# Altium PCB Audio-Beamformer_V1.0.PcbDoc (part 1 of 11) (continued)
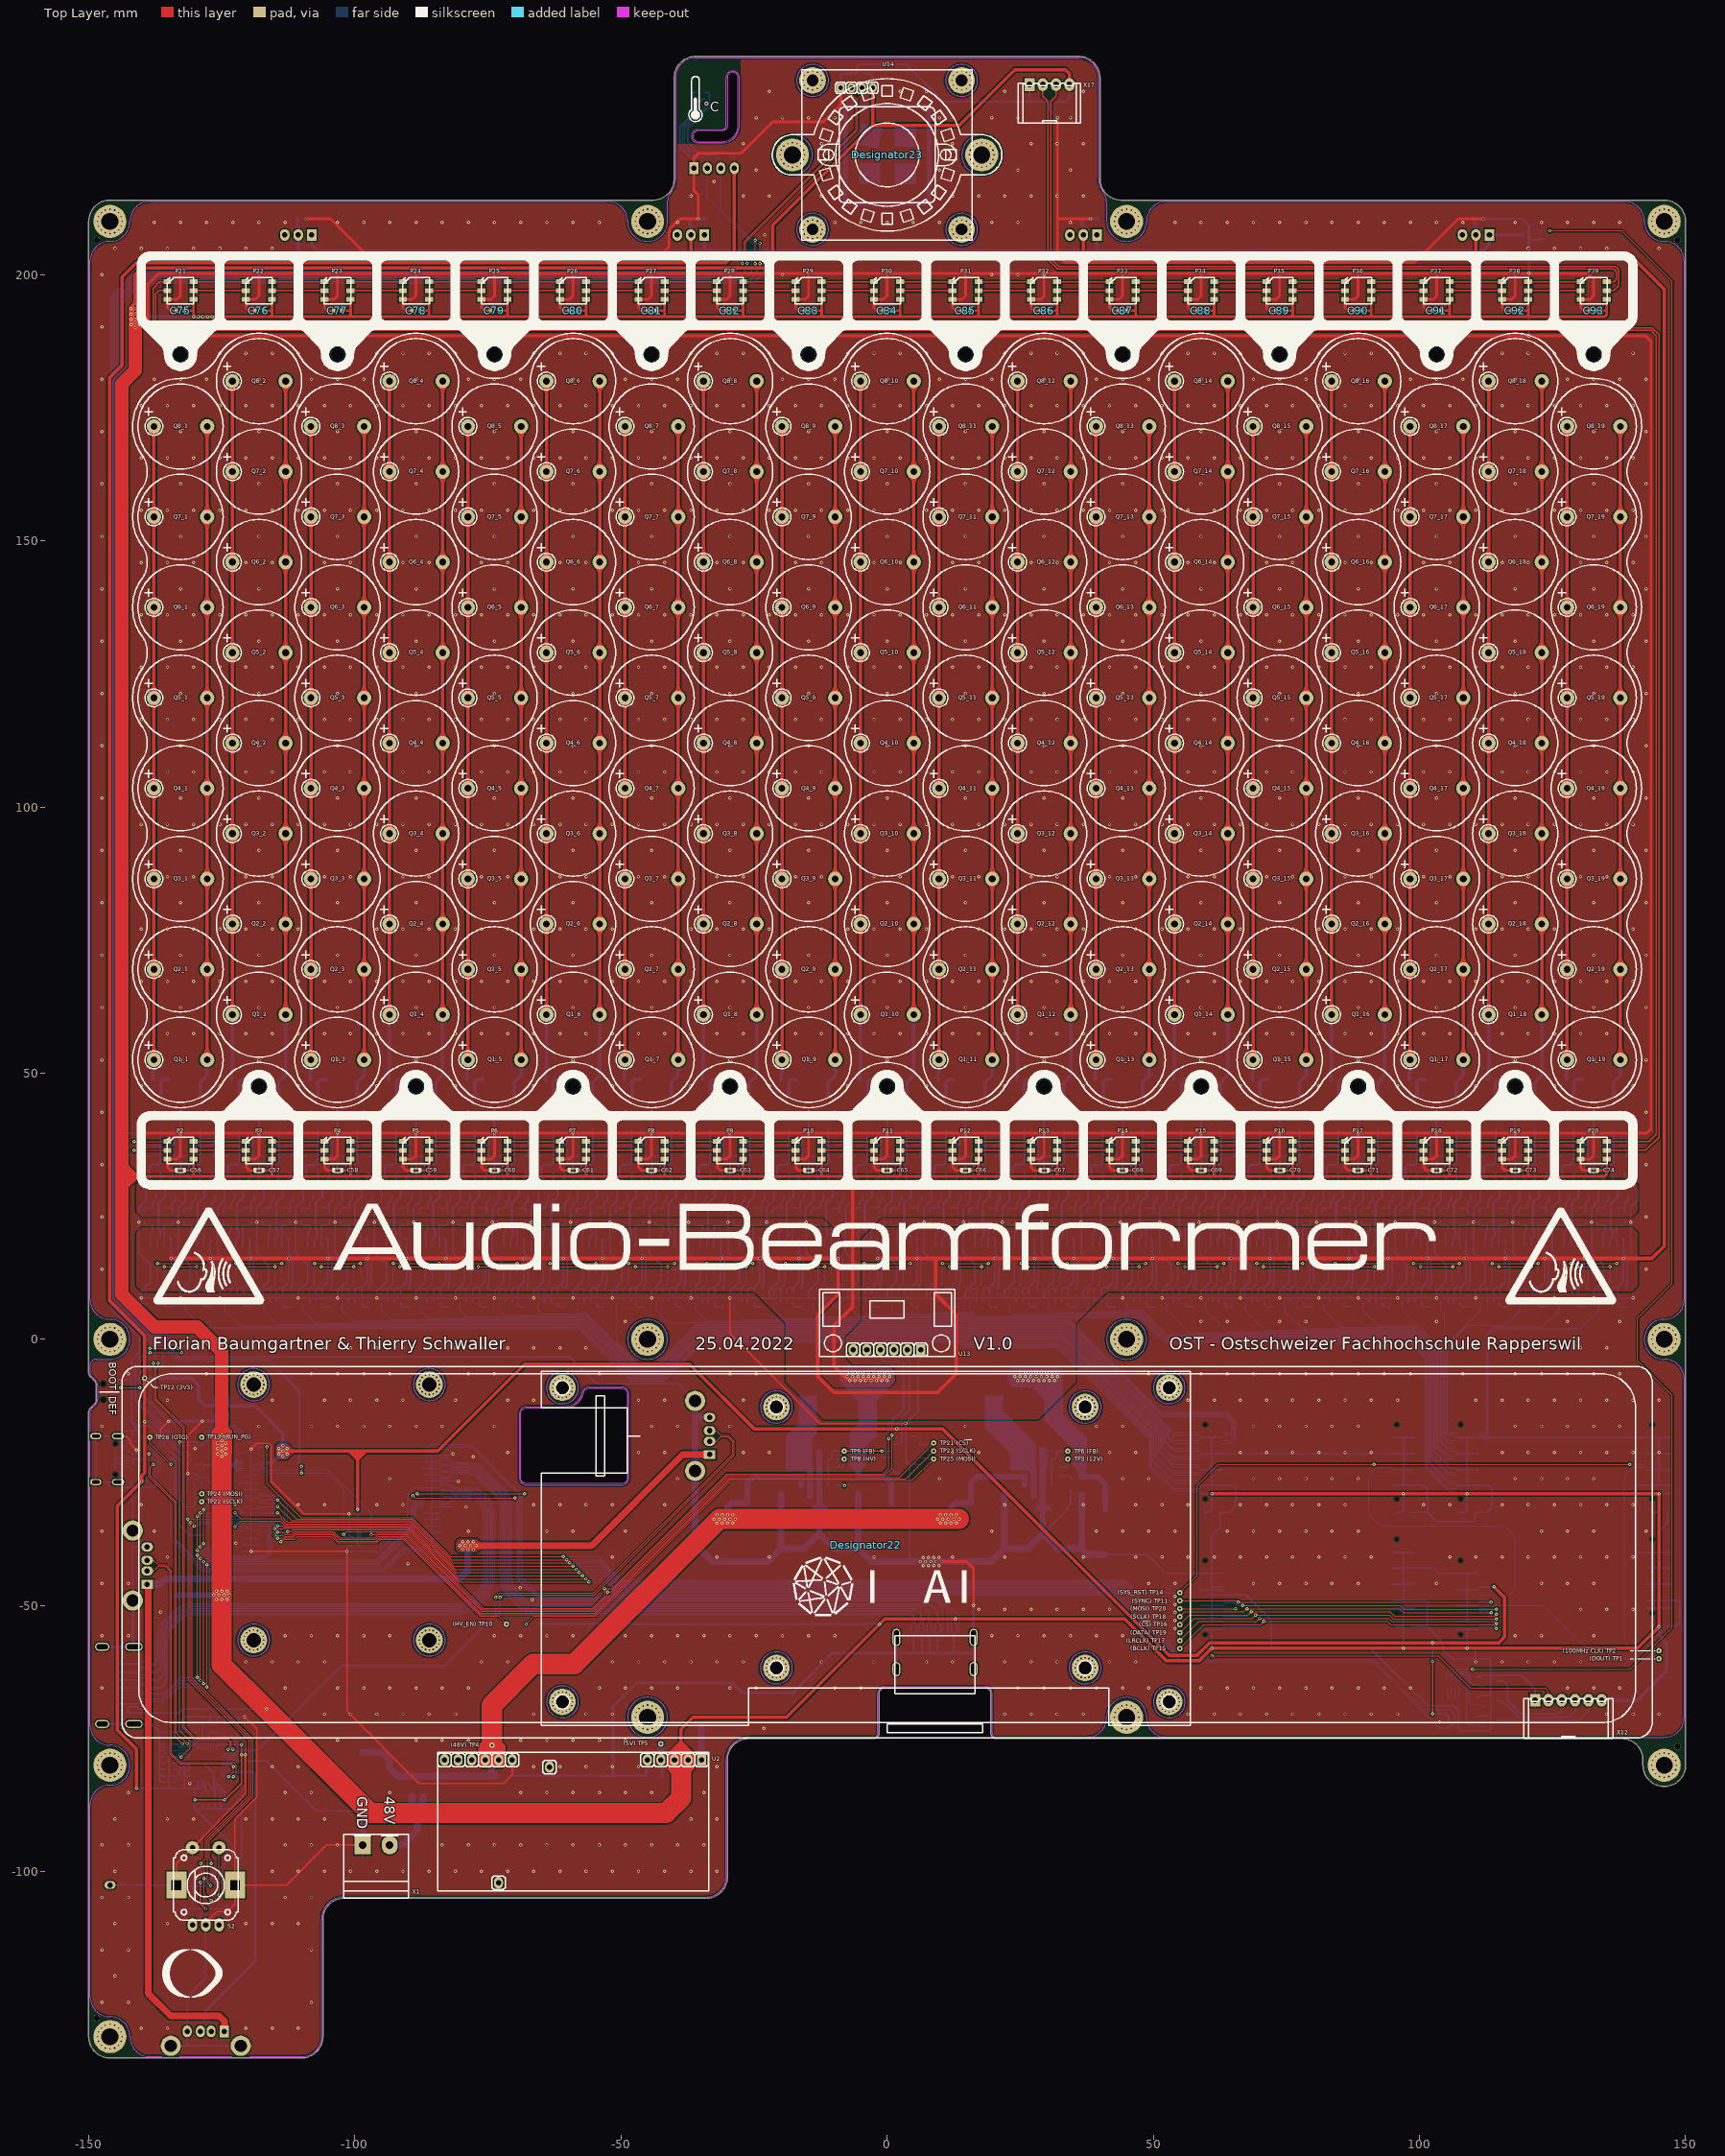
[diagram p0: Top Layer view]
## Components (designator, comment, footprint, x,y, rotation, side; value= is the part's Value field where it differs from the comment)
C1 "10nF" "SMD Keramikkondensator 0603" 31.7,-24 r0 bottom
C2 "10µF" "SMD Keramikkondensator 1206" 36.55,-27.35 r90 bottom
C3 "470µF" "SMD Elko 10.0x10.0" 41,-36.25 r270 bottom
C4 "220µF" "SMD Elko 12.5x13.5" -98.5,-83 r270 bottom
C5 "1µF" "SMD Keramikkondensator 1206" -71.75,-82 r180 bottom
C6 "10µF" "SMD Keramikkondensator 1206" -43.75,-82 r0 bottom
C7 "470µF" "SMD Elko 10.0x10.0" -34.88,-68.75 r90 bottom
C8 "220µF" "SMD Elko 12.5x13.5" 15.75,-36.25 r270 bottom
C9 "1µF" "SMD Keramikkondensator 1206" 22.05,-27.35 r90 bottom
C10 "10nF" "SMD Keramikkondensator 0603" -10.3,-24 r0 bottom
C11 "1µF" "SMD Keramikkondensator 1206" -5.45,-27.35 r90 bottom
C12 "220µF" "SMD Elko 12.5x13.5" 0.75,-36.25 r270 bottom
C13 "220µF" "SMD Elko 12.5x13.5" -26.25,-36.25 r270 bottom
C14 "1µF" "SMD Keramikkondensator 1206" -19.95,-27.35 r90 bottom
C15 "1µF" "SMD Keramikkondensator 0603" 3.5,-16.8 r180 bottom
C16 "10µF" "SMD Keramikkondensator 1206" -123.8,-25.2 r90 bottom
C17 "10µF" "SMD Keramikkondensator 1206" -126.2,-25.2 r90 bottom
C18 "470µF" "SMD Elko 10.0x10.0" -133,-11.5 r270 bottom locked
C19 "10µF" "SMD Keramikkondensator 1206" -123.8,-12.5 r90 bottom
C20 "10µF" "SMD Keramikkondensator 1206" -126.2,-12.5 r90 bottom
C21_1 "10µF" "SMD Keramikkondensator 1206" 109,-58 r180 bottom (schematic designator C21)
C21_2 "10µF" "SMD Keramikkondensator 1206" 61,-58 r180 bottom (schematic designator C21)
C22_1 "10µF" "SMD Keramikkondensator 1206" 109,-32.5 r180 bottom (schematic designator C22)
C22_2 "10µF" "SMD Keramikkondensator 1206" 61,-32.5 r180 bottom (schematic designator C22)
C23_1 "10µF" "SMD Keramikkondensator 1206" 145,-54 r180 bottom (schematic designator C23)
C23_2 "10µF" "SMD Keramikkondensator 1206" 97,-54 r180 bottom (schematic designator C23)
C24_1 "10µF" "SMD Keramikkondensator 1206" 145,-32.5 r180 bottom (schematic designator C24)
C24_2 "10µF" "SMD Keramikkondensator 1206" 97,-32.5 r180 bottom (schematic designator C24)
C25_1 "1µF" "SMD Keramikkondensator 1206" -126.85,32.75 r270 bottom (schematic designator C25)
C25_2 "1µF" "SMD Keramikkondensator 1206" -112.1,32.75 r270 bottom (schematic designator C25)
C25_3 "1µF" "SMD Keramikkondensator 1206" -97.35,32.75 r270 bottom (schematic designator C25)
C25_4 "1µF" "SMD Keramikkondensator 1206" -82.6,32.75 r270 bottom (schematic designator C25)
C25_5 "1µF" "SMD Keramikkondensator 1206" -67.85,32.75 r270 bottom (schematic designator C25)
C25_6 "1µF" "SMD Keramikkondensator 1206" -53.1,32.75 r270 bottom (schematic designator C25)
C25_7 "1µF" "SMD Keramikkondensator 1206" -38.35,32.75 r270 bottom (schematic designator C25)
C25_8 "1µF" "SMD Keramikkondensator 1206" -23.6,32.75 r270 bottom (schematic designator C25)
C25_9 "1µF" "SMD Keramikkondensator 1206" -8.85,32.75 r270 bottom (schematic designator C25)
C25_10 "1µF" "SMD Keramikkondensator 1206" 5.9,32.75 r270 bottom (schematic designator C25)
C25_11 "1µF" "SMD Keramikkondensator 1206" 20.65,32.75 r270 bottom (schematic designator C25)
C25_12 "1µF" "SMD Keramikkondensator 1206" 35.4,32.75 r270 bottom (schematic designator C25)
C25_13 "1µF" "SMD Keramikkondensator 1206" 50.15,32.75 r270 bottom (schematic designator C25)
C25_14 "1µF" "SMD Keramikkondensator 1206" 64.9,32.75 r270 bottom (schematic designator C25)
C25_15 "1µF" "SMD Keramikkondensator 1206" 79.65,32.75 r270 bottom (schematic designator C25)
C25_16 "1µF" "SMD Keramikkondensator 1206" 94.4,32.75 r270 bottom (schematic designator C25)
C25_17 "1µF" "SMD Keramikkondensator 1206" 109.15,32.75 r270 bottom (schematic designator C25)
C25_18 "1µF" "SMD Keramikkondensator 1206" 123.9,32.75 r270 bottom (schematic designator C25)
C25_19 "1µF" "SMD Keramikkondensator 1206" 138.65,32.75 r270 bottom (schematic designator C25)
C26_1 "1µF" "SMD Keramikkondensator 0603" -129.45,7.75 r90 bottom (schematic designator C26)
C26_2 "1µF" "SMD Keramikkondensator 0603" -114.7,7.75 r90 bottom (schematic designator C26)
C26_3 "1µF" "SMD Keramikkondensator 0603" -99.95,7.75 r90 bottom (schematic designator C26)
C26_4 "1µF" "SMD Keramikkondensator 0603" -85.2,7.75 r90 bottom (schematic designator C26)
C26_5 "1µF" "SMD Keramikkondensator 0603" -70.45,7.75 r90 bottom (schematic designator C26)
C26_6 "1µF" "SMD Keramikkondensator 0603" -55.7,7.75 r90 bottom (schematic designator C26)
C26_7 "1µF" "SMD Keramikkondensator 0603" -40.95,7.75 r90 bottom (schematic designator C26)
C26_8 "1µF" "SMD Keramikkondensator 0603" -26.2,7.75 r90 bottom (schematic designator C26)
C26_9 "1µF" "SMD Keramikkondensator 0603" -11.45,7.75 r90 bottom (schematic designator C26)
C26_10 "1µF" "SMD Keramikkondensator 0603" 3.3,7.75 r90 bottom (schematic designator C26)
C26_11 "1µF" "SMD Keramikkondensator 0603" 18.05,7.75 r90 bottom (schematic designator C26)
C26_12 "1µF" "SMD Keramikkondensator 0603" 32.8,7.75 r90 bottom (schematic designator C26)
C26_13 "1µF" "SMD Keramikkondensator 0603" 47.55,7.75 r90 bottom (schematic designator C26)
C26_14 "1µF" "SMD Keramikkondensator 0603" 62.3,7.75 r90 bottom (schematic designator C26)
C26_15 "1µF" "SMD Keramikkondensator 0603" 77.05,7.75 r90 bottom (schematic designator C26)
C26_16 "1µF" "SMD Keramikkondensator 0603" 91.8,7.75 r90 bottom (schematic designator C26)
C26_17 "1µF" "SMD Keramikkondensator 0603" 106.55,7.75 r90 bottom (schematic designator C26)
C26_18 "1µF" "SMD Keramikkondensator 0603" 121.3,7.75 r90 bottom (schematic designator C26)
C26_19 "1µF" "SMD Keramikkondensator 0603" 136.05,7.75 r90 bottom (schematic designator C26)
C27_1 "100nF" "SMD Keramikkondensator 0603" -128.438,19.5 r0 bottom (schematic designator C27)
C27_2 "100nF" "SMD Keramikkondensator 0603" -113.688,19.5 r0 bottom (schematic designator C27)
C27_3 "100nF" "SMD Keramikkondensator 0603" -98.938,19.5 r0 bottom (schematic designator C27)
C27_4 "100nF" "SMD Keramikkondensator 0603" -84.188,19.5 r0 bottom (schematic designator C27)
C27_5 "100nF" "SMD Keramikkondensator 0603" -69.438,19.5 r0 bottom (schematic designator C27)
C27_6 "100nF" "SMD Keramikkondensator 0603" -54.688,19.5 r0 bottom (schematic designator C27)
C27_7 "100nF" "SMD Keramikkondensator 0603" -39.938,19.5 r0 bottom (schematic designator C27)
C27_8 "100nF" "SMD Keramikkondensator 0603" -25.188,19.5 r0 bottom (schematic designator C27)
C27_9 "100nF" "SMD Keramikkondensator 0603" -10.438,19.5 r0 bottom (schematic designator C27)
C27_10 "100nF" "SMD Keramikkondensator 0603" 4.312,19.5 r0 bottom (schematic designator C27)
C27_11 "100nF" "SMD Keramikkondensator 0603" 19.062,19.5 r0 bottom (schematic designator C27)
C27_12 "100nF" "SMD Keramikkondensator 0603" 33.812,19.5 r0 bottom (schematic designator C27)
C27_13 "100nF" "SMD Keramikkondensator 0603" 48.562,19.5 r0 bottom (schematic designator C27)
C27_14 "100nF" "SMD Keramikkondensator 0603" 63.312,19.5 r0 bottom (schematic designator C27)
C27_15 "100nF" "SMD Keramikkondensator 0603" 78.062,19.5 r0 bottom (schematic designator C27)
C27_16 "100nF" "SMD Keramikkondensator 0603" 92.812,19.5 r0 bottom (schematic designator C27)
C27_17 "100nF" "SMD Keramikkondensator 0603" 107.562,19.5 r0 bottom (schematic designator C27)
C27_18 "100nF" "SMD Keramikkondensator 0603" 122.312,19.5 r0 bottom (schematic designator C27)
C27_19 "100nF" "SMD Keramikkondensator 0603" 137.062,19.5 r0 bottom (schematic designator C27)
C28_1 "27pF" "SMD Keramikkondensator 0603" -126.481,36.5 r270 bottom (schematic designator C28)
C28_2 "27pF" "SMD Keramikkondensator 0603" -111.731,36.5 r270 bottom (schematic designator C28)
C28_3 "27pF" "SMD Keramikkondensator 0603" -96.981,36.5 r270 bottom (schematic designator C28)
C28_4 "27pF" "SMD Keramikkondensator 0603" -82.231,36.5 r270 bottom (schematic designator C28)
C28_5 "27pF" "SMD Keramikkondensator 0603" -67.481,36.5 r270 bottom (schematic designator C28)
C28_6 "27pF" "SMD Keramikkondensator 0603" -52.731,36.5 r270 bottom (schematic designator C28)
C28_7 "27pF" "SMD Keramikkondensator 0603" -37.981,36.5 r270 bottom (schematic designator C28)
C28_8 "27pF" "SMD Keramikkondensator 0603" -23.231,36.5 r270 bottom (schematic designator C28)
C28_9 "27pF" "SMD Keramikkondensator 0603" -8.481,36.5 r270 bottom (schematic designator C28)
C28_10 "27pF" "SMD Keramikkondensator 0603" 6.269,36.5 r270 bottom (schematic designator C28)
C28_11 "27pF" "SMD Keramikkondensator 0603" 21.019,36.5 r270 bottom (schematic designator C28)
C28_12 "27pF" "SMD Keramikkondensator 0603" 35.769,36.5 r270 bottom (schematic designator C28)
C28_13 "27pF" "SMD Keramikkondensator 0603" 50.519,36.5 r270 bottom (schematic designator C28)
C28_14 "27pF" "SMD Keramikkondensator 0603" 65.269,36.5 r270 bottom (schematic designator C28)
C28_15 "27pF" "SMD Keramikkondensator 0603" 80.019,36.5 r270 bottom (schematic designator C28)
C28_16 "27pF" "SMD Keramikkondensator 0603" 94.769,36.5 r270 bottom (schematic designator C28)
C28_17 "27pF" "SMD Keramikkondensator 0603" 109.519,36.5 r270 bottom (schematic designator C28)
C28_18 "27pF" "SMD Keramikkondensator 0603" 124.269,36.5 r270 bottom (schematic designator C28)
C28_19 "27pF" "SMD Keramikkondensator 0603" 139.019,36.5 r270 bottom (schematic designator C28)
C29_1 "1µF" "SMD Keramikkondensator 1206" -134.225,32.75 r270 bottom (schematic designator C29)
C29_2 "1µF" "SMD Keramikkondensator 1206" -119.475,32.75 r270 bottom (schematic designator C29)
C29_3 "1µF" "SMD Keramikkondensator 1206" -104.725,32.75 r270 bottom (schematic designator C29)
C29_4 "1µF" "SMD Keramikkondensator 1206" -89.975,32.75 r270 bottom (schematic designator C29)
C29_5 "1µF" "SMD Keramikkondensator 1206" -75.225,32.75 r270 bottom (schematic designator C29)
C29_6 "1µF" "SMD Keramikkondensator 1206" -60.475,32.75 r270 bottom (schematic designator C29)
C29_7 "1µF" "SMD Keramikkondensator 1206" -45.725,32.75 r270 bottom (schematic designator C29)
C29_8 "1µF" "SMD Keramikkondensator 1206" -30.975,32.75 r270 bottom (schematic designator C29)
C29_9 "1µF" "SMD Keramikkondensator 1206" -16.225,32.75 r270 bottom (schematic designator C29)
C29_10 "1µF" "SMD Keramikkondensator 1206" -1.475,32.75 r270 bottom (schematic designator C29)
C29_11 "1µF" "SMD Keramikkondensator 1206" 13.275,32.75 r270 bottom (schematic designator C29)
C29_12 "1µF" "SMD Keramikkondensator 1206" 28.025,32.75 r270 bottom (schematic designator C29)
C29_13 "1µF" "SMD Keramikkondensator 1206" 42.775,32.75 r270 bottom (schematic designator C29)
C29_14 "1µF" "SMD Keramikkondensator 1206" 57.525,32.75 r270 bottom (schematic designator C29)
C29_15 "1µF" "SMD Keramikkondensator 1206" 72.275,32.75 r270 bottom (schematic designator C29)
C29_16 "1µF" "SMD Keramikkondensator 1206" 87.025,32.75 r270 bottom (schematic designator C29)
C29_17 "1µF" "SMD Keramikkondensator 1206" 101.775,32.75 r270 bottom (schematic designator C29)
C29_18 "1µF" "SMD Keramikkondensator 1206" 116.525,32.75 r270 bottom (schematic designator C29)
C29_19 "1µF" "SMD Keramikkondensator 1206" 131.275,32.75 r270 bottom (schematic designator C29)
C30_1 "1µF" "SMD Keramikkondensator 0603" -136.825,7.75 r90 bottom (schematic designator C30)
C30_2 "1µF" "SMD Keramikkondensator 0603" -122.075,7.75 r90 bottom (schematic designator C30)
C30_3 "1µF" "SMD Keramikkondensator 0603" -107.325,7.75 r90 bottom (schematic designator C30)
C30_4 "1µF" "SMD Keramikkondensator 0603" -92.575,7.75 r90 bottom (schematic designator C30)
C30_5 "1µF" "SMD Keramikkondensator 0603" -77.825,7.75 r90 bottom (schematic designator C30)
C30_6 "1µF" "SMD Keramikkondensator 0603" -63.075,7.75 r90 bottom (schematic designator C30)
C30_7 "1µF" "SMD Keramikkondensator 0603" -48.325,7.75 r90 bottom (schematic designator C30)
C30_8 "1µF" "SMD Keramikkondensator 0603" -33.575,7.75 r90 bottom (schematic designator C30)
C30_9 "1µF" "SMD Keramikkondensator 0603" -18.825,7.75 r90 bottom (schematic designator C30)
C30_10 "1µF" "SMD Keramikkondensator 0603" -4.075,7.75 r90 bottom (schematic designator C30)
C30_11 "1µF" "SMD Keramikkondensator 0603" 10.675,7.75 r90 bottom (schematic designator C30)
C30_12 "1µF" "SMD Keramikkondensator 0603" 25.425,7.75 r90 bottom (schematic designator C30)
C30_13 "1µF" "SMD Keramikkondensator 0603" 40.175,7.75 r90 bottom (schematic designator C30)
C30_14 "1µF" "SMD Keramikkondensator 0603" 54.925,7.75 r90 bottom (schematic designator C30)
C30_15 "1µF" "SMD Keramikkondensator 0603" 69.675,7.75 r90 bottom (schematic designator C30)
C30_16 "1µF" "SMD Keramikkondensator 0603" 84.425,7.75 r90 bottom (schematic designator C30)
C30_17 "1µF" "SMD Keramikkondensator 0603" 99.175,7.75 r90 bottom (schematic designator C30)
C30_18 "1µF" "SMD Keramikkondensator 0603" 113.925,7.75 r90 bottom (schematic designator C30)
C30_19 "1µF" "SMD Keramikkondensator 0603" 128.675,7.75 r90 bottom (schematic designator C30)
C31_1 "100nF" "SMD Keramikkondensator 0603" -135.813,19.5 r0 bottom (schematic designator C31)
C31_2 "100nF" "SMD Keramikkondensator 0603" -121.063,19.5 r0 bottom (schematic designator C31)
C31_3 "100nF" "SMD Keramikkondensator 0603" -106.313,19.5 r0 bottom (schematic designator C31)
C31_4 "100nF" "SMD Keramikkondensator 0603" -91.563,19.5 r0 bottom (schematic designator C31)
C31_5 "100nF" "SMD Keramikkondensator 0603" -76.813,19.5 r0 bottom (schematic designator C31)
C31_6 "100nF" "SMD Keramikkondensator 0603" -62.063,19.5 r0 bottom (schematic designator C31)
C31_7 "100nF" "SMD Keramikkondensator 0603" -47.313,19.5 r0 bottom (schematic designator C31)
C31_8 "100nF" "SMD Keramikkondensator 0603" -32.563,19.5 r0 bottom (schematic designator C31)
C31_9 "100nF" "SMD Keramikkondensator 0603" -17.813,19.5 r0 bottom (schematic designator C31)
C31_10 "100nF" "SMD Keramikkondensator 0603" -3.063,19.5 r0 bottom (schematic designator C31)
C31_11 "100nF" "SMD Keramikkondensator 0603" 11.687,19.5 r0 bottom (schematic designator C31)
C31_12 "100nF" "SMD Keramikkondensator 0603" 26.437,19.5 r0 bottom (schematic designator C31)
C31_13 "100nF" "SMD Keramikkondensator 0603" 41.187,19.5 r0 bottom (schematic designator C31)
C31_14 "100nF" "SMD Keramikkondensator 0603" 55.937,19.5 r0 bottom (schematic designator C31)
C31_15 "100nF" "SMD Keramikkondensator 0603" 70.687,19.5 r0 bottom (schematic designator C31)
C31_16 "100nF" "SMD Keramikkondensator 0603" 85.437,19.5 r0 bottom (schematic designator C31)
C31_17 "100nF" "SMD Keramikkondensator 0603" 100.187,19.5 r0 bottom (schematic designator C31)
C31_18 "100nF" "SMD Keramikkondensator 0603" 114.937,19.5 r0 bottom (schematic designator C31)
C31_19 "100nF" "SMD Keramikkondensator 0603" 129.687,19.5 r0 bottom (schematic designator C31)
C32_1 "27pF" "SMD Keramikkondensator 0603" -133.856,36.5 r270 bottom (schematic designator C32)
C32_2 "27pF" "SMD Keramikkondensator 0603" -119.106,36.5 r270 bottom (schematic designator C32)
C32_3 "27pF" "SMD Keramikkondensator 0603" -104.356,36.5 r270 bottom (schematic designator C32)
C32_4 "27pF" "SMD Keramikkondensator 0603" -89.606,36.5 r270 bottom (schematic designator C32)
C32_5 "27pF" "SMD Keramikkondensator 0603" -74.856,36.5 r270 bottom (schematic designator C32)
C32_6 "27pF" "SMD Keramikkondensator 0603" -60.106,36.5 r270 bottom (schematic designator C32)
C32_7 "27pF" "SMD Keramikkondensator 0603" -45.356,36.5 r270 bottom (schematic designator C32)
C32_8 "27pF" "SMD Keramikkondensator 0603" -30.606,36.5 r270 bottom (schematic designator C32)
C32_9 "27pF" "SMD Keramikkondensator 0603" -15.856,36.5 r270 bottom (schematic designator C32)
C32_10 "27pF" "SMD Keramikkondensator 0603" -1.106,36.5 r270 bottom (schematic designator C32)
C32_11 "27pF" "SMD Keramikkondensator 0603" 13.644,36.5 r270 bottom (schematic designator C32)
C32_12 "27pF" "SMD Keramikkondensator 0603" 28.394,36.5 r270 bottom (schematic designator C32)
C32_13 "27pF" "SMD Keramikkondensator 0603" 43.144,36.5 r270 bottom (schematic designator C32)
C32_14 "27pF" "SMD Keramikkondensator 0603" 57.894,36.5 r270 bottom (schematic designator C32)
C32_15 "27pF" "SMD Keramikkondensator 0603" 72.644,36.5 r270 bottom (schematic designator C32)
C32_16 "27pF" "SMD Keramikkondensator 0603" 87.394,36.5 r270 bottom (schematic designator C32)
C32_17 "27pF" "SMD Keramikkondensator 0603" 102.144,36.5 r270 bottom (schematic designator C32)
C32_18 "27pF" "SMD Keramikkondensator 0603" 116.894,36.5 r270 bottom (schematic designator C32)
C32_19 "27pF" "SMD Keramikkondensator 0603" 131.644,36.5 r270 bottom (schematic designator C32)
C33 "1µF" "SMD Keramikkondensator 0603" -138.3,-26.7 r180 bottom
C34 "1µF" "SMD Keramikkondensator 0603" -126.2,-86.5 r90 bottom
C35 "1µF" "SMD Keramikkondensator 0603" -120.7,-73 r270 bottom
C36 "1µF" "SMD Keramikkondensator 0603" -134.9,-78.4 r0 bottom
C37 "100nF" "SMD Keramikkondensator 0603" -121.3,-79.2 r180 bottom
C38 "100nF" "SMD Keramikkondensator 0603" -134.9,-76 r0 bottom
C39 "100nF" "SMD Keramikkondensator 0603" -134.9,-82 r0 bottom
C40 "1µF" "SMD Keramikkondensator 0603" -127.4,-86.5 r90 bottom
C41 "100nF" "SMD Keramikkondensator 0603" -128.65,-86.5 r90 bottom
C42 "1µF" "SMD Keramikkondensator 0603" -123.2,-73 r270 bottom
C43 "100nF" "SMD Keramikkondensator 0603" -124.45,-73 r270 bottom
C44 "27pF" "SMD Keramikkondensator 0603" -131.2,-73 r270 bottom
C45 "27pF" "SMD Keramikkondensator 0603" -125.7,-73 r90 bottom
C46 "1µF" "SMD Keramikkondensator 0603" -130.5,-102 r90 bottom
C47 "10nF" "SMD Keramikkondensator 0603" -127,-107 r90 bottom
C48 "10nF" "SMD Keramikkondensator 0603" -129,-107 r90 bottom
C49 "10nF" "SMD Keramikkondensator 0603" -128,-97.5 r0 bottom
C50 "1µF" "SMD Keramikkondensator 0603" 103.8,-69.6 r270 bottom
C51 "10µF" "SMD Keramikkondensator 1206" -109.25,210.5 r180 bottom
C52 "10µF" "SMD Keramikkondensator 1206" -35.5,210.5 r180 bottom
C53 "10µF" "SMD Keramikkondensator 1206" 38.25,210.5 r180 bottom
C54 "10µF" "SMD Keramikkondensator 1206" 112,210.5 r180 bottom
C55 "1µF" "SMD Keramikkondensator 0603" -128.5,-25.2 r90 bottom
C56 "1µF" "SMD Keramikkondensator 0603" -132.75,31.75 r0 top
C57 "1µF" "SMD Keramikkondensator 0603" -118,31.75 r0 top
C58 "1µF" "SMD Keramikkondensator 0603" -103.25,31.75 r0 top
C59 "1µF" "SMD Keramikkondensator 0603" -88.5,31.75 r0 top
C60 "1µF" "SMD Keramikkondensator 0603" -73.75,31.75 r0 top
C61 "1µF" "SMD Keramikkondensator 0603" -59,31.75 r0 top
C62 "1µF" "SMD Keramikkondensator 0603" -44.25,31.75 r0 top
C63 "1µF" "SMD Keramikkondensator 0603" -29.5,31.75 r0 top
C64 "1µF" "SMD Keramikkondensator 0603" -14.75,31.75 r0 top
C65 "1µF" "SMD Keramikkondensator 0603" 0,31.75 r0 top
C66 "1µF" "SMD Keramikkondensator 0603" 14.75,31.75 r0 top
C67 "1µF" "SMD Keramikkondensator 0603" 29.5,31.75 r0 top
C68 "1µF" "SMD Keramikkondensator 0603" 44.25,31.75 r0 top
C69 "1µF" "SMD Keramikkondensator 0603" 59,31.75 r0 top
C70 "1µF" "SMD Keramikkondensator 0603" 73.75,31.75 r0 top
C71 "1µF" "SMD Keramikkondensator 0603" 88.5,31.75 r0 top
C72 "1µF" "SMD Keramikkondensator 0603" 103.25,31.75 r0 top
C73 "1µF" "SMD Keramikkondensator 0603" 118,31.75 r0 top
C74 "1µF" "SMD Keramikkondensator 0603" 132.75,31.75 r0 top
C75 "1µF" "SMD Keramikkondensator 0603" -132.75,193.25 r0 top
C76 "1µF" "SMD Keramikkondensator 0603" -118,193.25 r0 top
C77 "1µF" "SMD Keramikkondensator 0603" -103.25,193.25 r0 top
C78 "1µF" "SMD Keramikkondensator 0603" -88.5,193.25 r0 top
C79 "1µF" "SMD Keramikkondensator 0603" -73.75,193.25 r0 top
C80 "1µF" "SMD Keramikkondensator 0603" -59,193.25 r0 top
C81 "1µF" "SMD Keramikkondensator 0603" -44.25,193.25 r0 top
C82 "1µF" "SMD Keramikkondensator 0603" -29.5,193.25 r0 top
C83 "1µF" "SMD Keramikkondensator 0603" -14.75,193.25 r0 top
C84 "1µF" "SMD Keramikkondensator 0603" 0,193.25 r0 top
C85 "1µF" "SMD Keramikkondensator 0603" 14.75,193.25 r0 top
C86 "1µF" "SMD Keramikkondensator 0603" 29.5,193.25 r0 top
C87 "1µF" "SMD Keramikkondensator 0603" 44.25,193.25 r0 top
C88 "1µF" "SMD Keramikkondensator 0603" 59,193.25 r0 top
C89 "1µF" "SMD Keramikkondensator 0603" 73.75,193.25 r0 top
C90 "1µF" "SMD Keramikkondensator 0603" 88.5,193.25 r0 top
C91 "1µF" "SMD Keramikkondensator 0603" 103.25,193.25 r0 top
C92 "1µF" "SMD Keramikkondensator 0603" 118,193.25 r0 top
C93 "1µF" "SMD Keramikkondensator 0603" 132.75,193.25 r0 top
C94 "10µF" "SMD Keramikkondensator 1206" 30.5,232.5 r0 bottom
C95 "1µF" "SMD Keramikkondensator 0603" 5,-4 r180 bottom
C96 "10µF" "SMD Keramikkondensator 1206" -5.7,237.75 r0 bottom
C97 "1µF" "SMD Keramikkondensator 0603" -35,234.25 r0 bottom
C98 "1µF" "SMD Keramikkondensator 0603" -99.5,-38.7 r0 bottom
D1 "SP1060L" "SMD Diode TO-277" -88.25,-82 r90 bottom
D2 "SP1060L" "SMD Diode TO-277" 25.5,-22.15 r180 bottom
D3 "SP1060L" "SMD Diode TO-277" -16.5,-22.15 r180 bottom
D4_1 "1N4148" "SMD DIODE SOD-123" -126.681,7.75 r90 bottom (schematic designator D4)
D4_2 "1N4148" "SMD DIODE SOD-123" -111.931,7.75 r90 bottom (schematic designator D4)
D4_3 "1N4148" "SMD DIODE SOD-123" -97.181,7.75 r90 bottom (schematic designator D4)
D4_4 "1N4148" "SMD DIODE SOD-123" -82.431,7.75 r90 bottom (schematic designator D4)
D4_5 "1N4148" "SMD DIODE SOD-123" -67.681,7.75 r90 bottom (schematic designator D4)
D4_6 "1N4148" "SMD DIODE SOD-123" -52.931,7.75 r90 bottom (schematic designator D4)
D4_7 "1N4148" "SMD DIODE SOD-123" -38.181,7.75 r90 bottom (schematic designator D4)
D4_8 "1N4148" "SMD DIODE SOD-123" -23.431,7.75 r90 bottom (schematic designator D4)
D4_9 "1N4148" "SMD DIODE SOD-123" -8.681,7.75 r90 bottom (schematic designator D4)
D4_10 "1N4148" "SMD DIODE SOD-123" 6.069,7.75 r90 bottom (schematic designator D4)
D4_11 "1N4148" "SMD DIODE SOD-123" 20.819,7.75 r90 bottom (schematic designator D4)
D4_12 "1N4148" "SMD DIODE SOD-123" 35.569,7.75 r90 bottom (schematic designator D4)
D4_13 "1N4148" "SMD DIODE SOD-123" 50.319,7.75 r90 bottom (schematic designator D4)
D4_14 "1N4148" "SMD DIODE SOD-123" 65.069,7.75 r90 bottom (schematic designator D4)
D4_15 "1N4148" "SMD DIODE SOD-123" 79.819,7.75 r90 bottom (schematic designator D4)
D4_16 "1N4148" "SMD DIODE SOD-123" 94.569,7.75 r90 bottom (schematic designator D4)
D4_17 "1N4148" "SMD DIODE SOD-123" 109.319,7.75 r90 bottom (schematic designator D4)
D4_18 "1N4148" "SMD DIODE SOD-123" 124.069,7.75 r90 bottom (schematic designator D4)
D4_19 "1N4148" "SMD DIODE SOD-123" 138.819,7.75 r90 bottom (schematic designator D4)
D5_1 "1N4148" "SMD DIODE SOD-123" -128.4,23 r270 bottom (schematic designator D5)
D5_2 "1N4148" "SMD DIODE SOD-123" -113.65,23 r270 bottom (schematic designator D5)
D5_3 "1N4148" "SMD DIODE SOD-123" -98.9,23 r270 bottom (schematic designator D5)
D5_4 "1N4148" "SMD DIODE SOD-123" -84.15,23 r270 bottom (schematic designator D5)
D5_5 "1N4148" "SMD DIODE SOD-123" -69.4,23 r270 bottom (schematic designator D5)
D5_6 "1N4148" "SMD DIODE SOD-123" -54.65,23 r270 bottom (schematic designator D5)
D5_7 "1N4148" "SMD DIODE SOD-123" -39.9,23 r270 bottom (schematic designator D5)
D5_8 "1N4148" "SMD DIODE SOD-123" -25.15,23 r270 bottom (schematic designator D5)
D5_9 "1N4148" "SMD DIODE SOD-123" -10.4,23 r270 bottom (schematic designator D5)
D5_10 "1N4148" "SMD DIODE SOD-123" 4.35,23 r270 bottom (schematic designator D5)
D5_11 "1N4148" "SMD DIODE SOD-123" 19.1,23 r270 bottom (schematic designator D5)
D5_12 "1N4148" "SMD DIODE SOD-123" 33.85,23 r270 bottom (schematic designator D5)
D5_13 "1N4148" "SMD DIODE SOD-123" 48.6,23 r270 bottom (schematic designator D5)
D5_14 "1N4148" "SMD DIODE SOD-123" 63.35,23 r270 bottom (schematic designator D5)
D5_15 "1N4148" "SMD DIODE SOD-123" 78.1,23 r270 bottom (schematic designator D5)
D5_16 "1N4148" "SMD DIODE SOD-123" 92.85,23 r270 bottom (schematic designator D5)
D5_17 "1N4148" "SMD DIODE SOD-123" 107.6,23 r270 bottom (schematic designator D5)
D5_18 "1N4148" "SMD DIODE SOD-123" 122.35,23 r270 bottom (schematic designator D5)
D5_19 "1N4148" "SMD DIODE SOD-123" 137.1,23 r270 bottom (schematic designator D5)
D6_1 "1N4148" "SMD DIODE SOD-123" -129.063,32.75 r270 bottom (schematic designator D6)
D6_2 "1N4148" "SMD DIODE SOD-123" -114.312,32.75 r270 bottom (schematic designator D6)
D6_3 "1N4148" "SMD DIODE SOD-123" -99.563,32.75 r270 bottom (schematic designator D6)
D6_4 "1N4148" "SMD DIODE SOD-123" -84.812,32.75 r270 bottom (schematic designator D6)
D6_5 "1N4148" "SMD DIODE SOD-123" -70.062,32.75 r270 bottom (schematic designator D6)
D6_6 "1N4148" "SMD DIODE SOD-123" -55.313,32.75 r270 bottom (schematic designator D6)
D6_7 "1N4148" "SMD DIODE SOD-123" -40.562,32.75 r270 bottom (schematic designator D6)
D6_8 "1N4148" "SMD DIODE SOD-123" -25.813,32.75 r270 bottom (schematic designator D6)
D6_9 "1N4148" "SMD DIODE SOD-123" -11.063,32.75 r270 bottom (schematic designator D6)
D6_10 "1N4148" "SMD DIODE SOD-123" 3.688,32.75 r270 bottom (schematic designator D6)
D6_11 "1N4148" "SMD DIODE SOD-123" 18.438,32.75 r270 bottom (schematic designator D6)
D6_12 "1N4148" "SMD DIODE SOD-123" 33.188,32.75 r270 bottom (schematic designator D6)
D6_13 "1N4148" "SMD DIODE SOD-123" 47.938,32.75 r270 bottom (schematic designator D6)
D6_14 "1N4148" "SMD DIODE SOD-123" 62.688,32.75 r270 bottom (schematic designator D6)
D6_15 "1N4148" "SMD DIODE SOD-123" 77.438,32.75 r270 bottom (schematic designator D6)
D6_16 "1N4148" "SMD DIODE SOD-123" 92.188,32.75 r270 bottom (schematic designator D6)
D6_17 "1N4148" "SMD DIODE SOD-123" 106.938,32.75 r270 bottom (schematic designator D6)
D6_18 "1N4148" "SMD DIODE SOD-123" 121.688,32.75 r270 bottom (schematic designator D6)
D6_19 "1N4148" "SMD DIODE SOD-123" 136.438,32.75 r270 bottom (schematic designator D6)
D7_1 "1N4148" "SMD DIODE SOD-123" -130.6,23 r270 bottom (schematic designator D7)
D7_2 "1N4148" "SMD DIODE SOD-123" -115.85,23 r270 bottom (schematic designator D7)
D7_3 "1N4148" "SMD DIODE SOD-123" -101.1,23 r270 bottom (schematic designator D7)
D7_4 "1N4148" "SMD DIODE SOD-123" -86.35,23 r270 bottom (schematic designator D7)
D7_5 "1N4148" "SMD DIODE SOD-123" -71.6,23 r270 bottom (schematic designator D7)
D7_6 "1N4148" "SMD DIODE SOD-123" -56.85,23 r270 bottom (schematic designator D7)
D7_7 "1N4148" "SMD DIODE SOD-123" -42.1,23 r270 bottom (schematic designator D7)
D7_8 "1N4148" "SMD DIODE SOD-123" -27.35,23 r270 bottom (schematic designator D7)
D7_9 "1N4148" "SMD DIODE SOD-123" -12.6,23 r270 bottom (schematic designator D7)
D7_10 "1N4148" "SMD DIODE SOD-123" 2.15,23 r270 bottom (schematic designator D7)
D7_11 "1N4148" "SMD DIODE SOD-123" 16.9,23 r270 bottom (schematic designator D7)
D7_12 "1N4148" "SMD DIODE SOD-123" 31.65,23 r270 bottom (schematic designator D7)
D7_13 "1N4148" "SMD DIODE SOD-123" 46.4,23 r270 bottom (schematic designator D7)
D7_14 "1N4148" "SMD DIODE SOD-123" 61.15,23 r270 bottom (schematic designator D7)
D7_15 "1N4148" "SMD DIODE SOD-123" 75.9,23 r270 bottom (schematic designator D7)
D7_16 "1N4148" "SMD DIODE SOD-123" 90.65,23 r270 bottom (schematic designator D7)
D7_17 "1N4148" "SMD DIODE SOD-123" 105.4,23 r270 bottom (schematic designator D7)
D7_18 "1N4148" "SMD DIODE SOD-123" 120.15,23 r270 bottom (schematic designator D7)
D7_19 "1N4148" "SMD DIODE SOD-123" 134.9,23 r270 bottom (schematic designator D7)
D8_1 "1N4148" "SMD DIODE SOD-123" -131.275,32.75 r270 bottom (schematic designator D8)
D8_2 "1N4148" "SMD DIODE SOD-123" -116.525,32.75 r270 bottom (schematic designator D8)
D8_3 "1N4148" "SMD DIODE SOD-123" -101.775,32.75 r270 bottom (schematic designator D8)
D8_4 "1N4148" "SMD DIODE SOD-123" -87.025,32.75 r270 bottom (schematic designator D8)
D8_5 "1N4148" "SMD DIODE SOD-123" -72.275,32.75 r270 bottom (schematic designator D8)
D8_6 "1N4148" "SMD DIODE SOD-123" -57.525,32.75 r270 bottom (schematic designator D8)
D8_7 "1N4148" "SMD DIODE SOD-123" -42.775,32.75 r270 bottom (schematic designator D8)
D8_8 "1N4148" "SMD DIODE SOD-123" -28.025,32.75 r270 bottom (schematic designator D8)
D8_9 "1N4148" "SMD DIODE SOD-123" -13.275,32.75 r270 bottom (schematic designator D8)
D8_10 "1N4148" "SMD DIODE SOD-123" 1.475,32.75 r270 bottom (schematic designator D8)
D8_11 "1N4148" "SMD DIODE SOD-123" 16.225,32.75 r270 bottom (schematic designator D8)
D8_12 "1N4148" "SMD DIODE SOD-123" 30.975,32.75 r270 bottom (schematic designator D8)
D8_13 "1N4148" "SMD DIODE SOD-123" 45.725,32.75 r270 bottom (schematic designator D8)
D8_14 "1N4148" "SMD DIODE SOD-123" 60.475,32.75 r270 bottom (schematic designator D8)
D8_15 "1N4148" "SMD DIODE SOD-123" 75.225,32.75 r270 bottom (schematic designator D8)
D8_16 "1N4148" "SMD DIODE SOD-123" 89.975,32.75 r270 bottom (schematic designator D8)
D8_17 "1N4148" "SMD DIODE SOD-123" 104.725,32.75 r270 bottom (schematic designator D8)
D8_18 "1N4148" "SMD DIODE SOD-123" 119.475,32.75 r270 bottom (schematic designator D8)
D8_19 "1N4148" "SMD DIODE SOD-123" 134.225,32.75 r270 bottom (schematic designator D8)
D9_1 "1N4148" "SMD DIODE SOD-123" -134.056,7.75 r90 bottom (schematic designator D9)
D9_2 "1N4148" "SMD DIODE SOD-123" -119.306,7.75 r90 bottom (schematic designator D9)
D9_3 "1N4148" "SMD DIODE SOD-123" -104.556,7.75 r90 bottom (schematic designator D9)
D9_4 "1N4148" "SMD DIODE SOD-123" -89.806,7.75 r90 bottom (schematic designator D9)
D9_5 "1N4148" "SMD DIODE SOD-123" -75.056,7.75 r90 bottom (schematic designator D9)
D9_6 "1N4148" "SMD DIODE SOD-123" -60.306,7.75 r90 bottom (schematic designator D9)
D9_7 "1N4148" "SMD DIODE SOD-123" -45.556,7.75 r90 bottom (schematic designator D9)
D9_8 "1N4148" "SMD DIODE SOD-123" -30.806,7.75 r90 bottom (schematic designator D9)
D9_9 "1N4148" "SMD DIODE SOD-123" -16.056,7.75 r90 bottom (schematic designator D9)
D9_10 "1N4148" "SMD DIODE SOD-123" -1.306,7.75 r90 bottom (schematic designator D9)
D9_11 "1N4148" "SMD DIODE SOD-123" 13.444,7.75 r90 bottom (schematic designator D9)
D9_12 "1N4148" "SMD DIODE SOD-123" 28.194,7.75 r90 bottom (schematic designator D9)
D9_13 "1N4148" "SMD DIODE SOD-123" 42.944,7.75 r90 bottom (schematic designator D9)
D9_14 "1N4148" "SMD DIODE SOD-123" 57.694,7.75 r90 bottom (schematic designator D9)
D9_15 "1N4148" "SMD DIODE SOD-123" 72.444,7.75 r90 bottom (schematic designator D9)
D9_16 "1N4148" "SMD DIODE SOD-123" 87.194,7.75 r90 bottom (schematic designator D9)
D9_17 "1N4148" "SMD DIODE SOD-123" 101.944,7.75 r90 bottom (schematic designator D9)
D9_18 "1N4148" "SMD DIODE SOD-123" 116.694,7.75 r90 bottom (schematic designator D9)
D9_19 "1N4148" "SMD DIODE SOD-123" 131.444,7.75 r90 bottom (schematic designator D9)
D10_1 "1N4148" "SMD DIODE SOD-123" -135.775,23 r270 bottom (schematic designator D10)
D10_2 "1N4148" "SMD DIODE SOD-123" -121.025,23 r270 bottom (schematic designator D10)
D10_3 "1N4148" "SMD DIODE SOD-123" -106.275,23 r270 bottom (schematic designator D10)
D10_4 "1N4148" "SMD DIODE SOD-123" -91.525,23 r270 bottom (schematic designator D10)
D10_5 "1N4148" "SMD DIODE SOD-123" -76.775,23 r270 bottom (schematic designator D10)
D10_6 "1N4148" "SMD DIODE SOD-123" -62.025,23 r270 bottom (schematic designator D10)
D10_7 "1N4148" "SMD DIODE SOD-123" -47.275,23 r270 bottom (schematic designator D10)
D10_8 "1N4148" "SMD DIODE SOD-123" -32.525,23 r270 bottom (schematic designator D10)
D10_9 "1N4148" "SMD DIODE SOD-123" -17.775,23 r270 bottom (schematic designator D10)
D10_10 "1N4148" "SMD DIODE SOD-123" -3.025,23 r270 bottom (schematic designator D10)
D10_11 "1N4148" "SMD DIODE SOD-123" 11.725,23 r270 bottom (schematic designator D10)
D10_12 "1N4148" "SMD DIODE SOD-123" 26.475,23 r270 bottom (schematic designator D10)
D10_13 "1N4148" "SMD DIODE SOD-123" 41.225,23 r270 bottom (schematic designator D10)
D10_14 "1N4148" "SMD DIODE SOD-123" 55.975,23 r270 bottom (schematic designator D10)
D10_15 "1N4148" "SMD DIODE SOD-123" 70.725,23 r270 bottom (schematic designator D10)
D10_16 "1N4148" "SMD DIODE SOD-123" 85.475,23 r270 bottom (schematic designator D10)
D10_17 "1N4148" "SMD DIODE SOD-123" 100.225,23 r270 bottom (schematic designator D10)
D10_18 "1N4148" "SMD DIODE SOD-123" 114.975,23 r270 bottom (schematic designator D10)
D10_19 "1N4148" "SMD DIODE SOD-123" 129.725,23 r270 bottom (schematic designator D10)
D11_1 "1N4148" "SMD DIODE SOD-123" -136.438,32.75 r270 bottom (schematic designator D11)
D11_2 "1N4148" "SMD DIODE SOD-123" -121.688,32.75 r270 bottom (schematic designator D11)
D11_3 "1N4148" "SMD DIODE SOD-123" -106.938,32.75 r270 bottom (schematic designator D11)
D11_4 "1N4148" "SMD DIODE SOD-123" -92.188,32.75 r270 bottom (schematic designator D11)
D11_5 "1N4148" "SMD DIODE SOD-123" -77.438,32.75 r270 bottom (schematic designator D11)
D11_6 "1N4148" "SMD DIODE SOD-123" -62.688,32.75 r270 bottom (schematic designator D11)
D11_7 "1N4148" "SMD DIODE SOD-123" -47.938,32.75 r270 bottom (schematic designator D11)
D11_8 "1N4148" "SMD DIODE SOD-123" -33.188,32.75 r270 bottom (schematic designator D11)
D11_9 "1N4148" "SMD DIODE SOD-123" -18.438,32.75 r270 bottom (schematic designator D11)
D11_10 "1N4148" "SMD DIODE SOD-123" -3.688,32.75 r270 bottom (schematic designator D11)
D11_11 "1N4148" "SMD DIODE SOD-123" 11.063,32.75 r270 bottom (schematic designator D11)
D11_12 "1N4148" "SMD DIODE SOD-123" 25.813,32.75 r270 bottom (schematic designator D11)
D11_13 "1N4148" "SMD DIODE SOD-123" 40.562,32.75 r270 bottom (schematic designator D11)
D11_14 "1N4148" "SMD DIODE SOD-123" 55.313,32.75 r270 bottom (schematic designator D11)
D11_15 "1N4148" "SMD DIODE SOD-123" 70.062,32.75 r270 bottom (schematic designator D11)
D11_16 "1N4148" "SMD DIODE SOD-123" 84.812,32.75 r270 bottom (schematic designator D11)
D11_17 "1N4148" "SMD DIODE SOD-123" 99.563,32.75 r270 bottom (schematic designator D11)
D11_18 "1N4148" "SMD DIODE SOD-123" 114.312,32.75 r270 bottom (schematic designator D11)
D11_19 "1N4148" "SMD DIODE SOD-123" 129.063,32.75 r270 bottom (schematic designator D11)
D12_1 "1N4148" "SMD DIODE SOD-123" -137.975,23 r270 bottom (schematic designator D12)
D12_2 "1N4148" "SMD DIODE SOD-123" -123.225,23 r270 bottom (schematic designator D12)
D12_3 "1N4148" "SMD DIODE SOD-123" -108.475,23 r270 bottom (schematic designator D12)
D12_4 "1N4148" "SMD DIODE SOD-123" -93.725,23 r270 bottom (schematic designator D12)
D12_5 "1N4148" "SMD DIODE SOD-123" -78.975,23 r270 bottom (schematic designator D12)
D12_6 "1N4148" "SMD DIODE SOD-123" -64.225,23 r270 bottom (schematic designator D12)
D12_7 "1N4148" "SMD DIODE SOD-123" -49.475,23 r270 bottom (schematic designator D12)
D12_8 "1N4148" "SMD DIODE SOD-123" -34.725,23 r270 bottom (schematic designator D12)